# Altium PCB SAMD21_Xplained_Pro.PcbDoc (part 2 of 2)
Units mm, origin at the board's own origin, x right, y up, seen from the top; angles counter-clockwise.
Board outline 60 x 100 mm, 4 copper layers (Top Layer LF-signals, GND, POWER, Bottom Layer LF-signals), stack 1.604 mm thick; 130 components, 118 nets, 600 pads, 196 vias.
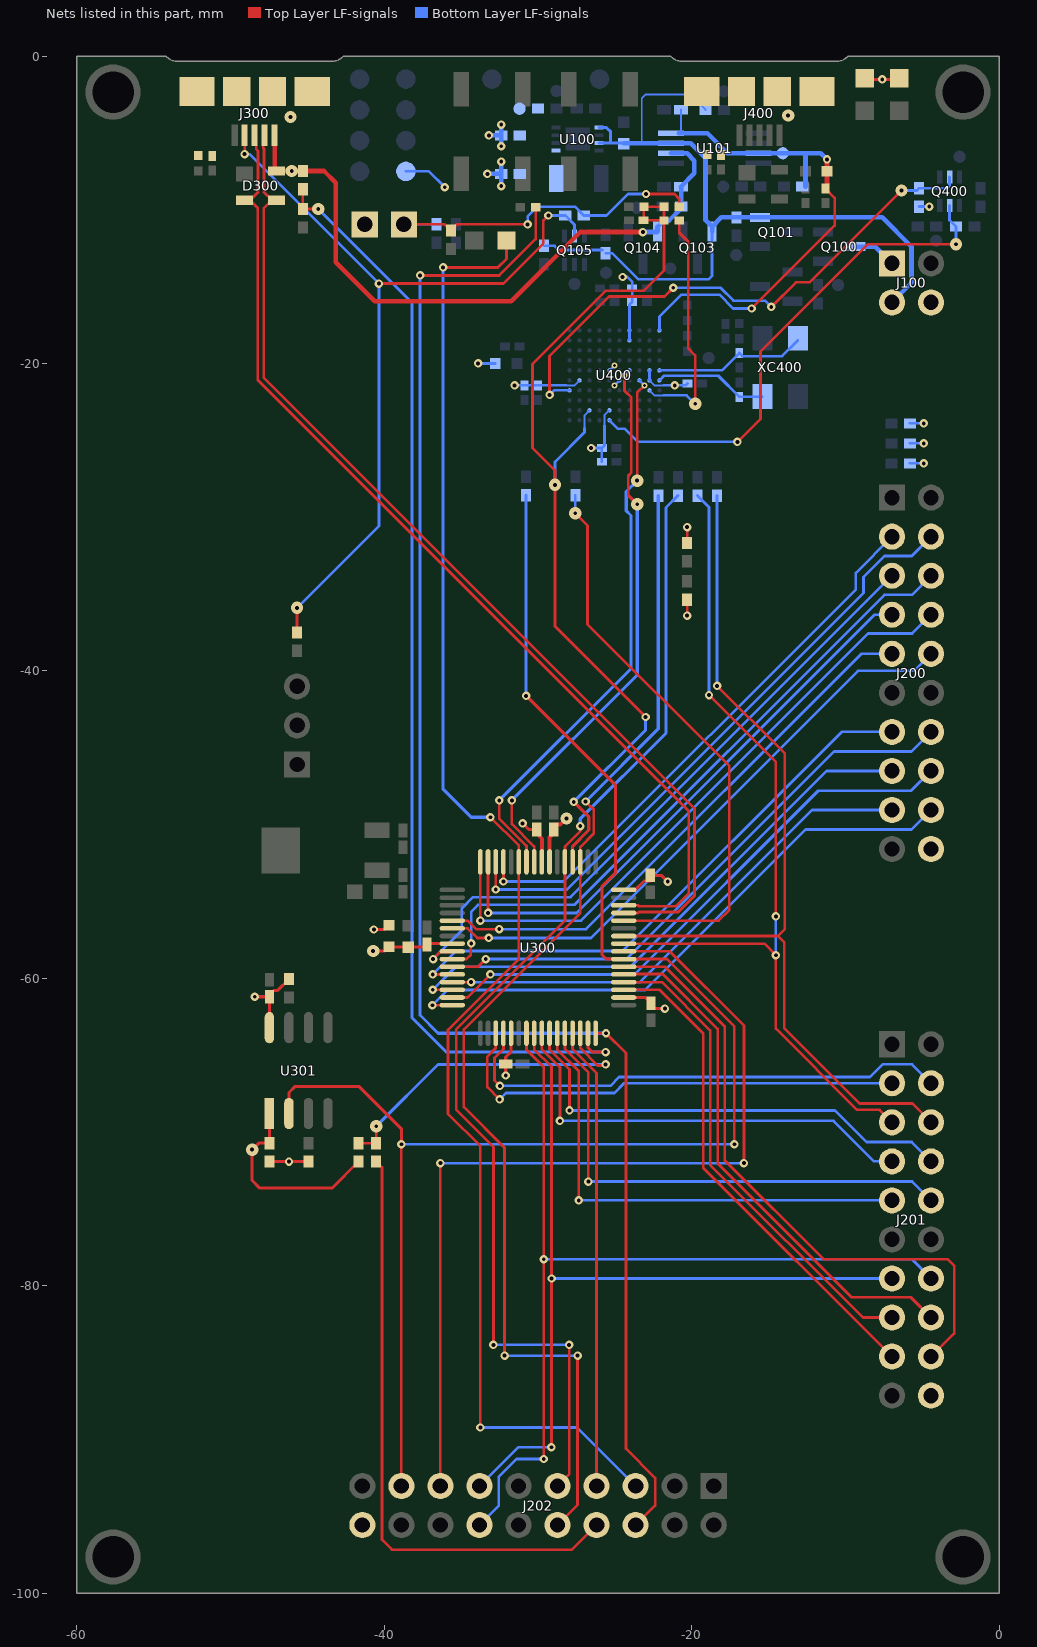
[diagram p4: the nets of this part, all layers, seen from the top]

## Via types
v1: diameter 0.55, hole 0.25, Top Layer LF-signals to Bottom Layer LF-signals, 70 vias
v2: diameter 0.55, hole 0.25, Top Layer LF-signals to Bottom Layer LF-signals, tented both sides, 42 vias
v3: diameter 0.55/0.8 (per signal layer), hole 0.25, Top Layer LF-signals to Bottom Layer LF-signals, tented top, 32 vias
v4: diameter 0.55, hole 0.25, Top Layer LF-signals to Bottom Layer LF-signals, tented top, 32 vias
v5: diameter 0.4, hole 0.2, Top Layer LF-signals to Bottom Layer LF-signals, tented both sides, 12 vias
v6: diameter 0.4, hole 0.2, Top Layer LF-signals to Bottom Layer LF-signals, tented top, 8 vias

## Nets (pads, with @x,y where several pads share a name; then routed paths per layer and width w, separated by ;. In a path a pad name is that pad's centre, name@x,y a point inside that pad or via, vN(x,y) a via of type N, cw(c..) or ccw(c..) an arc to the next point about the centre after c; other vN are vias at no path point) (continued)
PA04_S0_SPI_MISO: J200.17@-6.97,-49.05 U300.13 | length 33.2
  Top Layer LF-signals w0.175: U300.13@-35.575,-60.25 v1(-34.35,-60.25)
  Bottom Layer LF-signals w0.175: v1(-34.35,-60.25) -23.369,-60.25 -12.169,-49.05 J200.17@-6.97,-49.05
PA05_S0_SPI_SS: J200.15@-6.97,-46.51 U300.14 | length 37.1
  Top Layer LF-signals w0.175: v1(-36.85,-60.75) U300.14@-35.575,-60.75
  Bottom Layer LF-signals w0.175: v1(-36.85,-60.75) -35.35,-59.25 -23.969,-59.25 -11.229,-46.51 J200.15@-6.97,-46.51
PA06_S0_SPI_MOSI: J200.16@-4.43,-46.51 U300.15 | length 37.3
  Top Layer LF-signals w0.175: U300.15@-35.575,-61.25 -34.6,-61.25 v1(-33.1,-59.75)
  Bottom Layer LF-signals w0.175: v1(-33.1,-59.75) -23.719,-59.75 -11.769,-47.8 -5.72,-47.8 J200.16@-4.43,-46.51
PA07_S0_SPI_SCK: J200.18@-4.43,-49.05 U300.16 | length 39
  Top Layer LF-signals w0.175: v1(-36.875,-61.75) U300.16@-35.575,-61.75
  Bottom Layer LF-signals w0.175: v1(-36.875,-61.75) -35.888,-60.763 -23.032,-60.763 -12.589,-50.32 -5.7,-50.32 J200.18@-4.43,-49.05
PA10_ADC18: J201.3@-6.97,-66.83 U300.19 | length 30.8
  Top Layer LF-signals w0.175: U300.19@-32.75,-63.575 -32.75,-64.55 -33.3,-65.1 -33.3,-67.075 v1(-32.5,-67.875)
  Bottom Layer LF-signals w0.175: v1(-32.5,-67.875) -32.087,-67.462 -25.038,-67.462 -24.405,-66.83 J201.3@-6.97,-66.83
PA11_ADC19: J201.4@-4.43,-66.83 U300.20 | length 32.9
  Top Layer LF-signals w0.175: v1(-32.475,-67) -32.825,-66.65 -32.825,-65.175 -32.25,-64.6 U300.20@-32.25,-63.575
  Bottom Layer LF-signals w0.175: v1(-32.475,-67) -25.293,-67 -24.718,-66.425 -8.4,-66.425 -7.575,-65.6 -5.66,-65.6 J201.4@-4.43,-66.83
PA12_PWM_TC2_0: J202.7@-26.19,-93.03 U300.29 | length 30.1
  Top Layer LF-signals w0.175: U300.29@-27.75,-63.575 -27.75,-64.6 -26.19,-66.16 J202.7@-26.19,-93.03
PA13_DF_SPI_SS: R310.2 R314.1 U301.1 | length 13.1
  Top Layer LF-signals w0.2: U301.1@-47.475,-68.8 R310.2@-47.475,-70.725 -48.175,-70.725 v3(-48.6,-71.15) -48.6,-73.15 -48.1,-73.65 -43.4,-73.65 R314.1@-41.675,-71.925
PA13_GPIO: R313.2 R314.2 U300.30 | length 22
  Top Layer LF-signals w0.175: R314.2@-41.675,-70.725 R313.2@-40.525,-70.725 v3(-40.525,-69.625) ; U300.30@-27.25,-63.575 -27.25,-64.55 -26.125,-65.675 -25.673,-65.675 v1(-25.601,-65.603)
  Bottom Layer LF-signals w0.175: v3(-40.525,-69.625) -36.503,-65.603 v1(-25.601,-65.603)
PA13_PWM_TC2_1: J202.8@-26.19,-95.57 R313.1 | length 39.6
  Top Layer LF-signals w0.175: R313.1@-40.525,-71.925 -40.15,-72.3 -40.15,-96.525 -39.5,-97.175 -27.795,-97.175 J202.8@-26.19,-95.57
PA14_USB_VBUS: R307.1 R308.2 U300.31 | length 73.2
  Top Layer LF-signals w0.175: R307.1@-45.3,-8.675 R308.2@-45.3,-9.95 v3(-44.3,-9.95)
  Top Layer LF-signals w0.2: U300.31@-26.75,-63.575 -26.75,-64.525 -26.475,-64.8 v4(-25.6,-64.8)
  Bottom Layer LF-signals w0.2: v3(-44.3,-9.95) -38.2,-16.05 -38.2,-62.575 -35.975,-64.8 v4(-25.6,-64.8)
PA15_GPIO_BTN: J202.6@-23.65,-95.57 R302.2 U300.32 | length 105.8
  Top Layer LF-signals w0.175: v1(-37.675,-14.275) -32.525,-14.275 -30.15,-11.9 R302.2@-30.15,-9.85 ; U300.32@-26.25,-63.575 v2(-25.575,-63.575) -24.275,-64.875 -24.275,-90.6 -22.375,-92.5 -22.375,-94.295 J202.6@-23.65,-95.57
  Bottom Layer LF-signals w0.175: v1(-37.675,-14.275) -37.675,-62.4 -36.5,-63.575
  Bottom Layer LF-signals w0.2: -36.5,-63.575 v2(-25.575,-63.575)
PA16_S1_SPI_MISO: J201.17@-6.97,-84.61 U300.35 | length 32.5
  Top Layer LF-signals w0.175: U300.35@-24.425,-60.75 -22.079,-60.75 -19.253,-63.576 -19.253,-72.327 J201.17@-6.97,-84.61
PA17_S1_SPI_SS: J201.15@-6.97,-82.07 U300.36 | length 31.6
  Top Layer LF-signals w0.175: U300.36@-24.425,-60.25 -21.944,-60.25 -18.796,-63.398 -18.796,-72.136 -8.862,-82.07 J201.15@-6.97,-82.07
PA18_S1_SPI_MOSI: J201.16@-4.43,-82.07 U300.37 | length 34.4
  Top Layer LF-signals w0.175: U300.37@-24.425,-59.75 -24.4,-59.725 -21.885,-59.725 -18.313,-63.297 -18.313,-72.034 -9.598,-80.75 -5.75,-80.75 J201.16@-4.43,-82.07
PA19_S1_SPI_SCK: J201.18@-4.43,-84.61 U300.38 | length 41.2
  Top Layer LF-signals w0.175: U300.38@-24.425,-59.25 -21.725,-59.25 -17.85,-63.125 -17.85,-71.863 -11.438,-78.275 -3.35,-78.275 -2.925,-78.7 -2.925,-83.105 J201.18@-4.43,-84.61
PA20_GPIO: J201.5@-6.97,-69.37 R418.1 U300.41 | length 57.1
  Top Layer LF-signals w0.175: U300.41@-24.425,-57.75 -18.504,-57.75 ; v2(-18.875,-41.575) -14.525,-45.925 v1(-14.525,-55.975) ; -18.501,-57.75 -15.275,-57.75 v1(-14.525,-58.5) -14.525,-63.275 -9.239,-68.561 -7.779,-68.561 J201.5@-6.97,-69.37
  Bottom Layer LF-signals w0.175: v1(-14.525,-58.5) v1(-14.525,-55.975)
  Bottom Layer LF-signals w0.2: R418.1@-19.625,-28.6 -18.875,-29.35 v2(-18.875,-41.575)
PA21_GPIO: J201.6@-4.43,-69.37 R419.1 U300.42 | length 58.9
  Top Layer LF-signals w0.175: U300.42@-24.425,-57.25 -14.4,-57.25 ; v2(-18.35,-40.975) -13.945,-45.38 -13.945,-56.795 -14.4,-57.25 ; J201.6@-4.43,-69.37 -5.65,-68.15 -9.075,-68.15 -13.97,-63.255 -13.97,-57.68 -14.4,-57.25
  Bottom Layer LF-signals w0.2: v2(-18.35,-40.975) R419.1@-18.35,-28.6
PA23_S3_UART_RX: R414.1 U300.44 | length 38.3
  Top Layer LF-signals w0.175: v3(-27.575,-29.75) -26.775,-30.55 -26.775,-36.975 -17.55,-46.2 -17.55,-55.55 -18.25,-56.25 U300.44@-24.425,-56.25
  Bottom Layer LF-signals w0.175: v3(-27.575,-29.75) R414.1@-27.575,-28.575
PA27_GPIO_SS: J202.10@-28.73,-95.57 R416.1 U300.51 | length 79
  Top Layer LF-signals w0.175: v2(-32.175,-84.55) -32.175,-71.025 -34.825,-68.375 -34.825,-63.325 -27.25,-55.75 U300.51@-27.25,-52.425 -27.25,-51.45 -26.375,-50.575 -26.375,-49.025 v1(-26.9,-48.5) ; J202.10@-28.73,-95.57 -27.425,-94.265 v2(-27.425,-84.55)
  Bottom Layer LF-signals w0.175: v2(-32.175,-84.55) v2(-27.425,-84.55)
  Bottom Layer LF-signals w0.2: v1(-26.9,-48.5) -22.175,-43.775 R416.1@-22.175,-28.6
PA28_GPIO_IRQ8: J202.9@-28.73,-93.03 R417.1 U300.53 | length 76.6
  Top Layer LF-signals w0.175: v2(-32.9,-83.85) -32.9,-70.975 -35.325,-68.55 -35.325,-63.325 -28.25,-56.25 U300.53@-28.25,-52.425 -28.25,-51.427 -27.25,-50.427 v1(-27.25,-50.1) ; J202.9@-28.73,-93.03 -27.975,-92.275 v2(-27.975,-83.85)
  Bottom Layer LF-signals w0.175: v2(-32.9,-83.85) v2(-27.975,-83.85)
  Bottom Layer LF-signals w0.2: v1(-27.25,-50.1) -27.25,-49.625 -21.675,-44.05 -21.675,-29.375 R417.1@-20.9,-28.6
PA30_SWDCLK: U300.57 U400.D6 | length 36.6
  Top Layer LF-signals w0.175: v1(-31.7,-48.425) -31.7,-49.975 -30.25,-51.425 U300.57@-30.25,-52.425 ; v5(-24.375,-20.775) -24.375,-21.775 -23.925,-22.225 -23.925,-27.1 -24.13,-27.305 -24.13,-28.575 v3(-23.546,-29.159)
  Bottom Layer LF-signals w0.175: v5(-24.375,-20.775) U400.D6@-24.05,-20.45
  Bottom Layer LF-signals w0.2: v1(-31.7,-48.425) -23.546,-40.271 v3(-23.546,-29.159)
PA31_SWDIO: U300.58 U400.C5 | length 36.4
  Top Layer LF-signals w0.175: v1(-32.525,-48.425) -32.525,-49.61 -30.75,-51.385 U300.58@-30.75,-52.425 ; v3(-23.55,-27.625) -23.55,-21.9 v5(-23.075,-21.425)
  Bottom Layer LF-signals w0.175: U400.C5@-23.4,-21.1 v5(-23.075,-21.425)
  Bottom Layer LF-signals w0.2: v1(-32.525,-48.425) -23.952,-39.852 -23.952,-29.896 -24.257,-29.591 -24.257,-28.332 v3(-23.55,-27.625)
PB00_ADC8: J200.3@-6.97,-31.27 U300.61 | length 36.5
  Top Layer LF-signals w0.175: v1(-32.25,-53.703) U300.61@-32.25,-52.425
  Bottom Layer LF-signals w0.175: v1(-32.25,-53.703) -28.328,-53.703 -9.325,-34.7 -9.325,-33.625 J200.3@-6.97,-31.27
PB01_ADC9: J200.4@-4.43,-31.27 U300.62 | length 40.2
  Top Layer LF-signals w0.175: v1(-32.75,-54.225) U300.62@-32.75,-52.425
  Bottom Layer LF-signals w0.175: v1(-32.75,-54.225) -28.125,-54.225 -8.825,-34.925 -8.825,-33.9 -7.45,-32.525 -5.685,-32.525 J200.4@-4.43,-31.27
PB02_PWM_TC6_0: J200.7@-6.97,-36.35 U300.63 | length 37.6
  Top Layer LF-signals w0.175: v1(-33.25,-55.75) U300.63@-33.25,-52.425
  Bottom Layer LF-signals w0.175: v1(-33.25,-55.75) -27.505,-55.75 -8.105,-36.35 J200.7@-6.97,-36.35
PB03_PWM_TC6_1: J200.8@-4.43,-36.35 U300.64 | length 41.4
  Top Layer LF-signals w0.175: v1(-33.75,-56.25) U300.64@-33.75,-52.425
  Bottom Layer LF-signals w0.175: v1(-33.75,-56.25) -27.192,-56.25 -8.517,-37.575 -5.655,-37.575 J200.8@-4.43,-36.35
PB04_GPIO_IRQ4: J200.9@-6.97,-38.89 U300.5 | length 36.3
  Top Layer LF-signals w0.175: U300.5@-35.575,-56.25 -34.575,-56.25 -34.025,-56.8 v1(-32.525,-56.8)
  Bottom Layer LF-signals w0.175: v1(-32.525,-56.8) -26.879,-56.8 -8.969,-38.89 J200.9@-6.97,-38.89
PB05_GPIO_SS: J200.10@-4.43,-38.89 U300.6 | length 39.1
  Top Layer LF-signals w0.175: U300.6@-35.575,-56.75 -34.575,-56.75 -33.95,-57.375 v1(-33.2,-57.375)
  Bottom Layer LF-signals w0.175: v1(-33.2,-57.375) -26.565,-57.375 -9.19,-40 -5.54,-40 J200.10@-4.43,-38.89
PB06_GPIO: J200.5@-6.97,-33.81 U300.9 | length 42.5
  Top Layer LF-signals w0.175: v1(-36.825,-58.75) -36.375,-58.3 -35.625,-58.3 U300.9@-35.575,-58.25
  Bottom Layer LF-signals w0.175: v1(-36.825,-58.75) -34.963,-56.887 -34.963,-55.463 -34.223,-54.723 -27.882,-54.723 J200.5@-6.97,-33.81
PB07_GPIO: J200.6@-4.43,-33.81 U300.10 | length 43.1
  Top Layer LF-signals w0.175: U300.10@-35.575,-58.75 -34.65,-58.75 -34.375,-58.475 -34.375,-57.762 v1(-34.34,-57.727)
  Bottom Layer LF-signals w0.175: v1(-34.34,-57.727) -34.34,-55.665 -33.9,-55.225 -27.641,-55.225 -7.466,-35.05 -5.67,-35.05 J200.6@-4.43,-33.81
PB08_S4_UART_TX: J200.14@-4.43,-43.97 U300.11 | length 37.5
  Top Layer LF-signals w0.175: U300.11@-35.575,-59.25 -33.9,-59.25 v1(-33.4,-58.75)
  Bottom Layer LF-signals w0.175: v1(-33.4,-58.75) -24.244,-58.75 -10.744,-45.25 -5.71,-45.25 J200.14@-4.43,-43.97
PB09_S4_UART_RX: J200.13@-6.97,-43.97 U300.12 | length 37.7
  Top Layer LF-signals w0.175: v1(-36.85,-59.75) U300.12@-35.575,-59.75
  Bottom Layer LF-signals w0.175: v1(-36.85,-59.75) -35.325,-58.225 -24.494,-58.225 -10.239,-43.97 J200.13@-6.97,-43.97
PB10_S4_UART_TX: J201.14@-4.43,-79.53 J202.14@-33.81,-95.57 U300.23 | length 60.9
  Top Layer LF-signals w0.175: U300.23@-30.75,-63.575 -30.75,-64.65 -29.625,-65.775 v1(-29.625,-78.275) v1(-29.625,-91.275)
  Bottom Layer LF-signals w0.175: J202.14@-33.81,-95.57 -32.55,-94.31 -32.55,-92.425 -31.4,-91.275 v1(-29.625,-91.275) ; v1(-29.625,-78.275) -5.685,-78.275 J201.14@-4.43,-79.53
PB11_S4_UART_RX: J201.13@-6.97,-79.53 J202.13@-33.81,-93.03 U300.24 | length 55.3
  Top Layer LF-signals w0.175: U300.24@-30.25,-63.575 -30.25,-64.625 -29.125,-65.75 v2(-29.125,-90.513)
  Bottom Layer LF-signals w0.175: J202.13@-33.81,-93.03 -31.293,-90.513 v2(-29.125,-90.513) ; v1(-29.12,-79.53) J201.13@-6.97,-79.53
PB12_PWM_TC4_0: J201.7@-6.97,-71.91 U300.25 | length 28.9
  Top Layer LF-signals w0.175: U300.25@-29.75,-63.575 -29.75,-64.625 -28.575,-65.8 v1(-28.575,-69.275)
  Bottom Layer LF-signals w0.175: v1(-28.575,-69.275) -10.775,-69.275 -8.14,-71.91 J201.7@-6.97,-71.91
PB13_PWM_TC4_1: J201.8@-4.43,-71.91 U300.26 | length 30.5
  Top Layer LF-signals w0.175: U300.26@-29.25,-63.575 -29.25,-64.625 -27.95,-65.925 v1(-27.95,-68.6)
  Bottom Layer LF-signals w0.175: v1(-27.95,-68.6) -10.675,-68.6 -8.625,-70.65 -5.69,-70.65 J201.8@-4.43,-71.91
PB14_GPIO_IRQ14: J201.9@-6.97,-74.45 U300.27 | length 31.8
  Top Layer LF-signals w0.175: U300.27@-28.75,-63.575 -28.75,-64.625 -27.35,-66.025 v2(-27.35,-74.45)
  Bottom Layer LF-signals w0.175: v2(-27.35,-74.45) J201.9@-6.97,-74.45
PB15_GPIO_SS: J201.10@-4.43,-74.45 U300.28 | length 33.1
  Top Layer LF-signals w0.175: U300.28@-28.25,-63.575 -28.25,-64.6 -26.725,-66.125 v2(-26.725,-73.225)
  Bottom Layer LF-signals w0.175: v2(-26.725,-73.225) -5.655,-73.225 J201.10@-4.43,-74.45
PB16_S5_SPI_MISO: J202.17@-38.89,-93.03 R420.2 U300.39 U301.2 | length 105.8
  Top Layer LF-signals w0.175: J202.17@-38.9,-93.02 J202.17@-38.89,-93.03 v2(-38.89,-70.8) ; U300.39@-24.425,-58.75 -21.616,-58.75 -17.225,-63.141 v2(-17.225,-70.8)
  Top Layer LF-signals w0.2: U301.2@-46.205,-68.8 -46.205,-67.43 -45.825,-67.05 -41.625,-67.05 -38.89,-69.785 v2(-38.89,-70.8) ; v1(-30.775,-41.625) -24.95,-47.45 -24.95,-53.125 -25.85,-54.025 -25.85,-58.45 -25.55,-58.75 U300.39@-24.425,-58.75
  Bottom Layer LF-signals w0.175: v2(-38.89,-70.8) v2(-17.225,-70.8)
  Bottom Layer LF-signals w0.2: v1(-30.775,-41.625) R420.2@-30.775,-28.575
PB17_S5_SPI_SS: J202.15@-36.35,-93.03 U300.40 | length 59.5
  Top Layer LF-signals w0.175: J202.15@-36.35,-93.03 v2(-36.35,-72.025) ; U300.40@-24.425,-58.25 -21.43,-58.25 -16.6,-63.08 v2(-16.6,-72.025)
  Bottom Layer LF-signals w0.175: v2(-36.35,-72.025) v2(-16.6,-72.025)
PB30_GPIO_LED: D301.1 J202.5@-23.65,-93.03 U300.59 | length 98.3
  Top Layer LF-signals w0.175: v2(-33.75,-89.225) -33.75,-70.925 -35.85,-68.825 -35.85,-63.35 -31.25,-58.75 U300.59@-31.25,-52.425 -31.25,-51.375 v1(-33.1,-49.525)
  Top Layer LF-signals w0.2: v1(-36.175,-13.75) -32.6,-13.75 -32.05,-13.2 D301.1@-32.05,-12
  Bottom Layer LF-signals w0.175: v2(-33.75,-89.225) -27.455,-89.225 J202.5@-23.65,-93.03
  Bottom Layer LF-signals w0.2: v1(-36.175,-13.75) -36.175,-47.7 -34.35,-49.525 v1(-33.1,-49.525)
POWER_LED_CTRL: Q400.2 R410.1 U400.K4 | length 36.2
  Top Layer LF-signals w0.175: v1(-29.25,-22.05) -29.25,-19.525 -25.375,-15.65 -21.775,-15.65 v1(-21.2,-15.075) ; v1(-14.825,-16.325) -13.225,-14.725 -12.325,-14.725 v3(-6.35,-8.75)
  Bottom Layer LF-signals w0.175: v1(-29.25,-22.05) -28.95,-21.75 U400.K4@-27.95,-21.75 ; v1(-21.2,-15.075) -18.125,-15.075 -17.288,-15.912 -15.238,-15.912 v1(-14.825,-16.325) ; v3(-6.35,-8.75) -5.35,-8.75 R410.1@-5.2,-8.6 -3.375,-8.6 -3.225,-8.45 Q400.2@-3.225,-7.875
SHIELD: C403.2 J400.6 J400.7 J400.8 J400.9 R424.2
  other v3: -13.725,-3.875
STATUS_LED_CTRL: Q400.5 R413.2 U400.F1 | length 33.7
  Top Layer LF-signals w0.175: v2(-17.025,-25.1) -15.525,-23.6 -15.525,-19.225 -8.55,-12.25 v3(-2.8,-12.25)
  Bottom Layer LF-signals w0.175: U400.F1@-25.35,-23.7 -24.8,-24.25 -24.35,-24.25 -23.5,-25.1 v2(-17.025,-25.1) ; Q400.5@-3.225,-9.725 -3.225,-10.675 R413.2@-2.8,-11.1 v3(-2.8,-12.25)
TARGET_RESET: R315.1 U400.B4 | length 15.7
  Top Layer LF-signals w0.175: R315.1@-20.811,-10.7 -20.811,-11.498 -20.225,-12.084 -20.225,-19.025 -19.775,-19.475 v3(-19.775,-22.625)
  Bottom Layer LF-signals w0.125: U400.B4@-22.75,-21.75 -22.425,-22.075 -21.8,-22.075
  Bottom Layer LF-signals w0.175: -21.8,-22.075 -20.325,-22.075 v3(-19.775,-22.625)
TARGET_RESET_SENSE: C301.1 R300.1 R304.2 R315.2 U300.52 U400.H2 | length 62.6
  Top Layer LF-signals w0.175: v3(-28.9,-27.9) -28.9,-26.95 -30.363,-25.487 -30.363,-20.038 -25.6,-15.275 -23.125,-15.275 -21.8,-13.95 R300.1@-21.8,-9.9 ; R304.2@-23.1,-9.8 R300.1@-21.911,-9.8 ; R304.2@-23.05,-9.9 -23.125,-9.825 C301.1@-23.125,-10.675 R315.2@-21.836,-10.675
  Top Layer LF-signals w0.2: v3(-28.9,-27.9) -28.9,-37.1 v1(-23,-43) ; U300.52@-27.75,-52.425 -27.75,-51.405 -26.7,-50.355 -26.7,-49.5 v1(-27.675,-48.525)
  Bottom Layer LF-signals w0.125: -26.975,-24.225 -26.975,-23.375 U400.H2@-26.65,-23.05
  Bottom Layer LF-signals w0.175: v3(-28.9,-27.9) -28.9,-26.4 -26.975,-24.475 -26.975,-24.225
  Bottom Layer LF-signals w0.2: v1(-27.675,-48.525) -23,-43.85 v1(-23,-43)
TARGET_USB_ID: J300.4 Q105.5 R113.1 R309.1 | length 54.8
  Top Layer LF-signals w0.175: v1(-49.084,-6.384) J300.4@-49.084,-5.15 ; R309.1@-45.675,-37.5 v3(-45.675,-35.9) ; v1(-40.35,-14.8) -32.25,-14.8 -29.65,-12.2 -29.65,-10.7 v1(-29.325,-10.375)
  Bottom Layer LF-signals w0.175: v1(-49.084,-6.384) -48.766,-6.384 v1(-40.35,-14.8) ; v3(-45.675,-35.9) -40.35,-30.575 v1(-40.35,-14.8) ; v1@-40.35,-14.775 v1(-40.35,-14.8) ; v1(-29.325,-10.375) R113.1@-28.225,-10.375 -27.625,-10.975 Q105.5@-27.625,-11.7
TARGET_USB_N: D300.3 J300.2 U300.45 | length 67.3
  Top Layer LF-signals w0.18: J300.2@-47.784,-5.15 -47.879,-5.245 -47.879,-5.969 -47.828,-6.02 -47.828,-8.865 -47.315,-9.378 D300.3@-47,-9.378 -47.3,-9.378 -47.85,-9.928 -47.85,-20.913 -19.82,-48.943 -19.82,-54.632 -20.878,-55.69 -23.435,-55.69 -23.495,-55.75 U300.45@-24.425,-55.75
TARGET_USB_P: D300.2 J300.3 U300.46 | length 66.8
  Top Layer LF-signals w0.18: J300.3@-48.434,-5.15 -48.336,-5.248 -48.336,-6.049 -48.208,-6.177 -48.208,-8.864 -48.723,-9.378 D300.2@-49.1,-9.378 -48.737,-9.378 -48.23,-9.885 -48.23,-21.07 -20.2,-49.1 -20.2,-54.475 -21.035,-55.31 -23.435,-55.31 -23.495,-55.25 U300.46@-24.425,-55.25
TARGET_USB_SHIELD: C300.2 J300.6 J300.7 J300.8 J300.9 R301.2
  other v3: -46.101,-3.962
VCC_EDBG_P3V3: C409.1 C410.1 C411.1 C412.1 C413.1 C414.1 C415.1 D400.2 D401.2 L402.1 R401.2 R402.2 R409.2 R410.2 R425.1 TP407.1 U400.B5 U400.B6 U400.D9 U400.D10 U400.E5 U400.F2 U400.F6 U400.J5 | length 29.7
  Top Layer LF-signals w0.2: D400.2@-8.756,-1.518 v4(-7.6,-1.518) D401.2@-6.47,-1.518
  Bottom Layer LF-signals w0.125: -28.159,-21.425 -27.625,-21.425 U400.J5@-27.3,-21.1 ; -25.675,-24.05 -25.675,-23.375 U400.F2@-25.35,-23.05 ; U400.B5@-22.75,-21.1 -22.425,-21.425 -21.825,-21.425
  Bottom Layer LF-signals w0.175: TP407.1@-38.6,-7.5 -37.1,-7.5 v1(-36.062,-8.538) ; v2(-33.9,-20) L402.1@-32.775,-20 ; v1(-31.525,-21.425) C414.1@-30.875,-21.425 C413.1@-30,-21.425 -28.159,-21.425 ; v2(-26.55,-25.5) C412.1@-25.85,-25.5 ; C415.1@-25.85,-26.4 C412.1@-25.85,-25.5 ; -25.675,-24.05 -25.675,-25.325 C412.1@-25.85,-25.5 ; U400.F6@-25.35,-20.45 v5(-25.025,-20.125) ; v5(-25.025,-21.425) U400.E5@-24.7,-21.1 ; v2(-24.5,-14.375) -24.175,-14.375 -23.875,-14.675 C409.1@-23.875,-15.1 C410.1@-23.875,-16 -24.05,-16.175 U400.D10@-24.05,-17.85 U400.D9@-24.05,-18.5 ; U400.B5@-22.75,-21.1 U400.B6@-22.75,-20.45 ; -21.825,-21.425 v4(-21.1,-21.425) -20.4,-21.425 C411.1@-20.275,-21.3 ; R409.2@-5.8,-26.5 v4(-4.9,-26.5) ; R402.2@-5.8,-25.2 v4(-4.9,-25.2) ; R401.2@-5.8,-23.9 v4(-4.9,-23.9)
  Bottom Layer LF-signals w0.2: R410.2@-5.2,-9.8 v4(-4.55,-9.8)
  Bottom Layer LF-signals w0.3: v4(-33.29,-7.665) R425.1@-32.39,-7.665 ; v4(-32.39,-8.465) R425.1@-32.39,-7.665 ; v4(-32.39,-6.865) R425.1@-32.39,-7.665
VCC_EDBG_USB_P5V0: C102.1 C408.1 L401.2 pad.3@-14.075,-6.325 R104.2 U101.3 U101.8 U400.A10 | length 34.2
  Top Layer LF-signals w0.175: v1(-16.1,-16.425) -10.7,-11.025 -10.7,-9.225 C408.1@-11.3,-8.625
  Top Layer LF-signals w0.3: C408.1@-11.3,-8.625 -11.2,-8.525 L401.2@-11.2,-7.5 v4(-11.2,-6.725)
  Bottom Layer LF-signals w0.15: U101.8@-20.85,-5.025 -20.7,-4.875 C102.1@-20.7,-3.5
  Bottom Layer LF-signals w0.175: U400.A10@-22.1,-17.85 -22.1,-16.95 -20.675,-15.525 -18.2,-15.525 -17.3,-16.425 v1(-16.1,-16.425)
  Bottom Layer LF-signals w0.3: U101.8@-20.85,-5.025 -18.975,-5.025 -17.675,-6.325 U101.3@-15.65,-6.325 -11.6,-6.325 v4(-11.2,-6.725) ; R104.2@-12.6,-8.5 -12.6,-6.35
VCC_EXT_P5V0: J100.1@-6.97,-13.49 Q100.3 | length 2.8
  Bottom Layer LF-signals w0.3: Q100.3@-9.35,-12.4 -8.068,-12.4 J100.1@-6.978,-13.49
VCC_MCU_CORE: C308.1 U300.55 | length 3.5
  Top Layer LF-signals w0.25: U300.55@-29.25,-52.425 -29.25,-50.85 -28.975,-50.575 C308.1@-28.975,-50.325 -28.975,-50 -28.55,-50 v3(-28.15,-49.6)
VCC_MCU_P3V3: C304.1 C305.1 C306.1 C307.1 J101.1 L300.1 U300.21 U300.34 U300.48 U300.56 | length 14.1
  Top Layer LF-signals w0.2: v2(-40.675,-56.825) -39.95,-56.825 L300.1@-39.7,-56.575 ; v1(-32.1,-66.325) C304.1@-32.1,-65.575 -32.1,-65.125 -31.75,-64.775 U300.21@-31.75,-63.575 ; v1(-31,-49.925) -30.6,-50.325 C307.1@-30.075,-50.325 C307.1@-30.075,-50.6 ; U300.34@-24.425,-61.25 -23.025,-61.25 C305.1@-22.65,-61.625 -22.65,-61.893 -22.567,-61.976 v1(-21.742,-61.976) ; U300.48@-24.425,-54.25 -23.675,-54.25 -23.1,-53.675 -22.7,-53.675 C306.1@-22.7,-53.3 -21.975,-53.3 v1(-21.562,-53.713)
  Top Layer LF-signals w0.25: C307.1@-30.075,-50.6 -29.75,-50.925 U300.56@-29.75,-52.425
  Bottom Layer LF-signals w0.2: v1(-21.742,-61.976) v1@-21.717,-61.951
VCC_MCU_VDDANA: C309.1 C310.1 L300.2 U300.8 | length 5.3
  Top Layer LF-signals w0.2: v3(-40.725,-58.225) -39.95,-58.225 -39.7,-57.975 -39.698,-57.974 C309.1@-38.45,-57.974 -37.399,-57.974 C310.1@-37.225,-57.8 -37.175,-57.75 U300.8@-35.575,-57.75
VCC_P3V3: C100.1 pad.3@-31.2,-3.425 R102.1 R108.1 R425.2 U100.5
VCC_P5V0: C101.1 J100.3@-6.97,-16.03 Q101.2 Q103.2 R101.2 R103.2 R111.2 R112.1 U100.1 U100.3 U101.7 | length 54.2
  Bottom Layer LF-signals w0.125: -23.274,-5.675 -23.25,-5.651 -23.25,-2.75 -23,-2.5 -20.1,-2.5 R101.2@-19.1,-3.5
  Bottom Layer LF-signals w0.175: R111.2@-29.6,-12.35 -28.925,-12.35 -28.65,-12.625 R112.1@-25.8,-12.625 ; R112.1@-25.6,-12.825 -25.175,-12.825 -23.475,-14.525 -18.9,-14.525 -18.675,-14.3 Q103.2@-18.675,-11.425
  Bottom Layer LF-signals w0.2: U100.3@-26.025,-5.65 -25.275,-5.65 ; U100.1@-26.025,-4.65 -25.55,-4.65 -25.275,-4.925 -25.275,-5.65 ; C101.1@-24.425,-5.675 -24.45,-5.65 -25.275,-5.65
  Bottom Layer LF-signals w0.3: C101.1@-24.425,-5.675 -23.274,-5.675 U101.7@-21.35,-5.675 -20.075,-5.675 -19.1,-6.65 -19.1,-10.675 Q103.2@-18.675,-11.1 ; Q103.2@-18.675,-11.425 Q103.2@-18.675,-11.1 ; J100.3@-6.978,-16.03 -5.7,-14.752 -5.7,-12.4 -7.6,-10.5 Q101.2@-15.55,-10.5 R103.2@-17.1,-10.5 -18.075,-10.5 Q103.2@-18.675,-11.1
VCC_TARGET_P3V3: C311.1 J100.4@-4.43,-16.03 J101.2 J200.20@-4.43,-51.59 J201.20@-4.43,-87.15 J202.20@-41.43,-95.57 R108.2 R109.2 R113.2 R300.2 R303.2 R305.2 R306.2 R310.1 R311.1 R312.2 U301.8 | length 34.2
  Top Layer LF-signals w0.125: v4@-32.4,-4.5 v4@-32.4,-4.465
  Top Layer LF-signals w0.175: J101.2@-38.73,-10.95 -36.075,-10.95 R303.2@-35.675,-11.35 -35.275,-10.95 v1(-30.675,-10.95) ; v1(-22.975,-8.975) -21.124,-8.975 -20.811,-9.288 R300.2@-20.811,-9.8 ; v1(-20.3,-36.4) R306.2@-20.3,-35.375 ; R305.2@-20.3,-31.675 v1(-20.3,-30.65)
  Top Layer LF-signals w0.2: v1(-48.424,-61.2) C311.1@-47.475,-61.2 ; R310.1@-47.475,-71.925 v1(-46.2,-71.925) R311.1@-44.935,-71.925 ; U301.8@-47.475,-63.212 C311.1@-47.475,-61.2 ; R312.2@-46.205,-60.05 -46.94,-60.785 -47.175,-60.785 -47.475,-61.085 C311.1@-47.475,-61.2
  Bottom Layer LF-signals w0.175: J101.2@-38.73,-10.95 R109.2@-36.6,-10.95 ; v1(-30.675,-10.95) -30.675,-10.425 -30.05,-9.8 -27.6,-9.8 R113.2@-27.025,-10.375 -25.55,-10.375 -24.15,-8.975 v1(-22.975,-8.975)